# Altium PCB Thunderscope_Rev5.PCBDOC (part 4 of 7)
Units mm, origin at the board's own origin, x right, y up, seen from the top; angles counter-clockwise.
Board outline 119 x 103.6 mm, 6 copper layers (Top Layer, Int1 (GND), Int2 (Sign), Int3 (Sign), Int4 (GND), Bottom Layer), stack 1.49 mm thick; 745 components, 417 nets, 2478 pads, 1216 vias.
Unrouted connection lines stored in the file: 495.
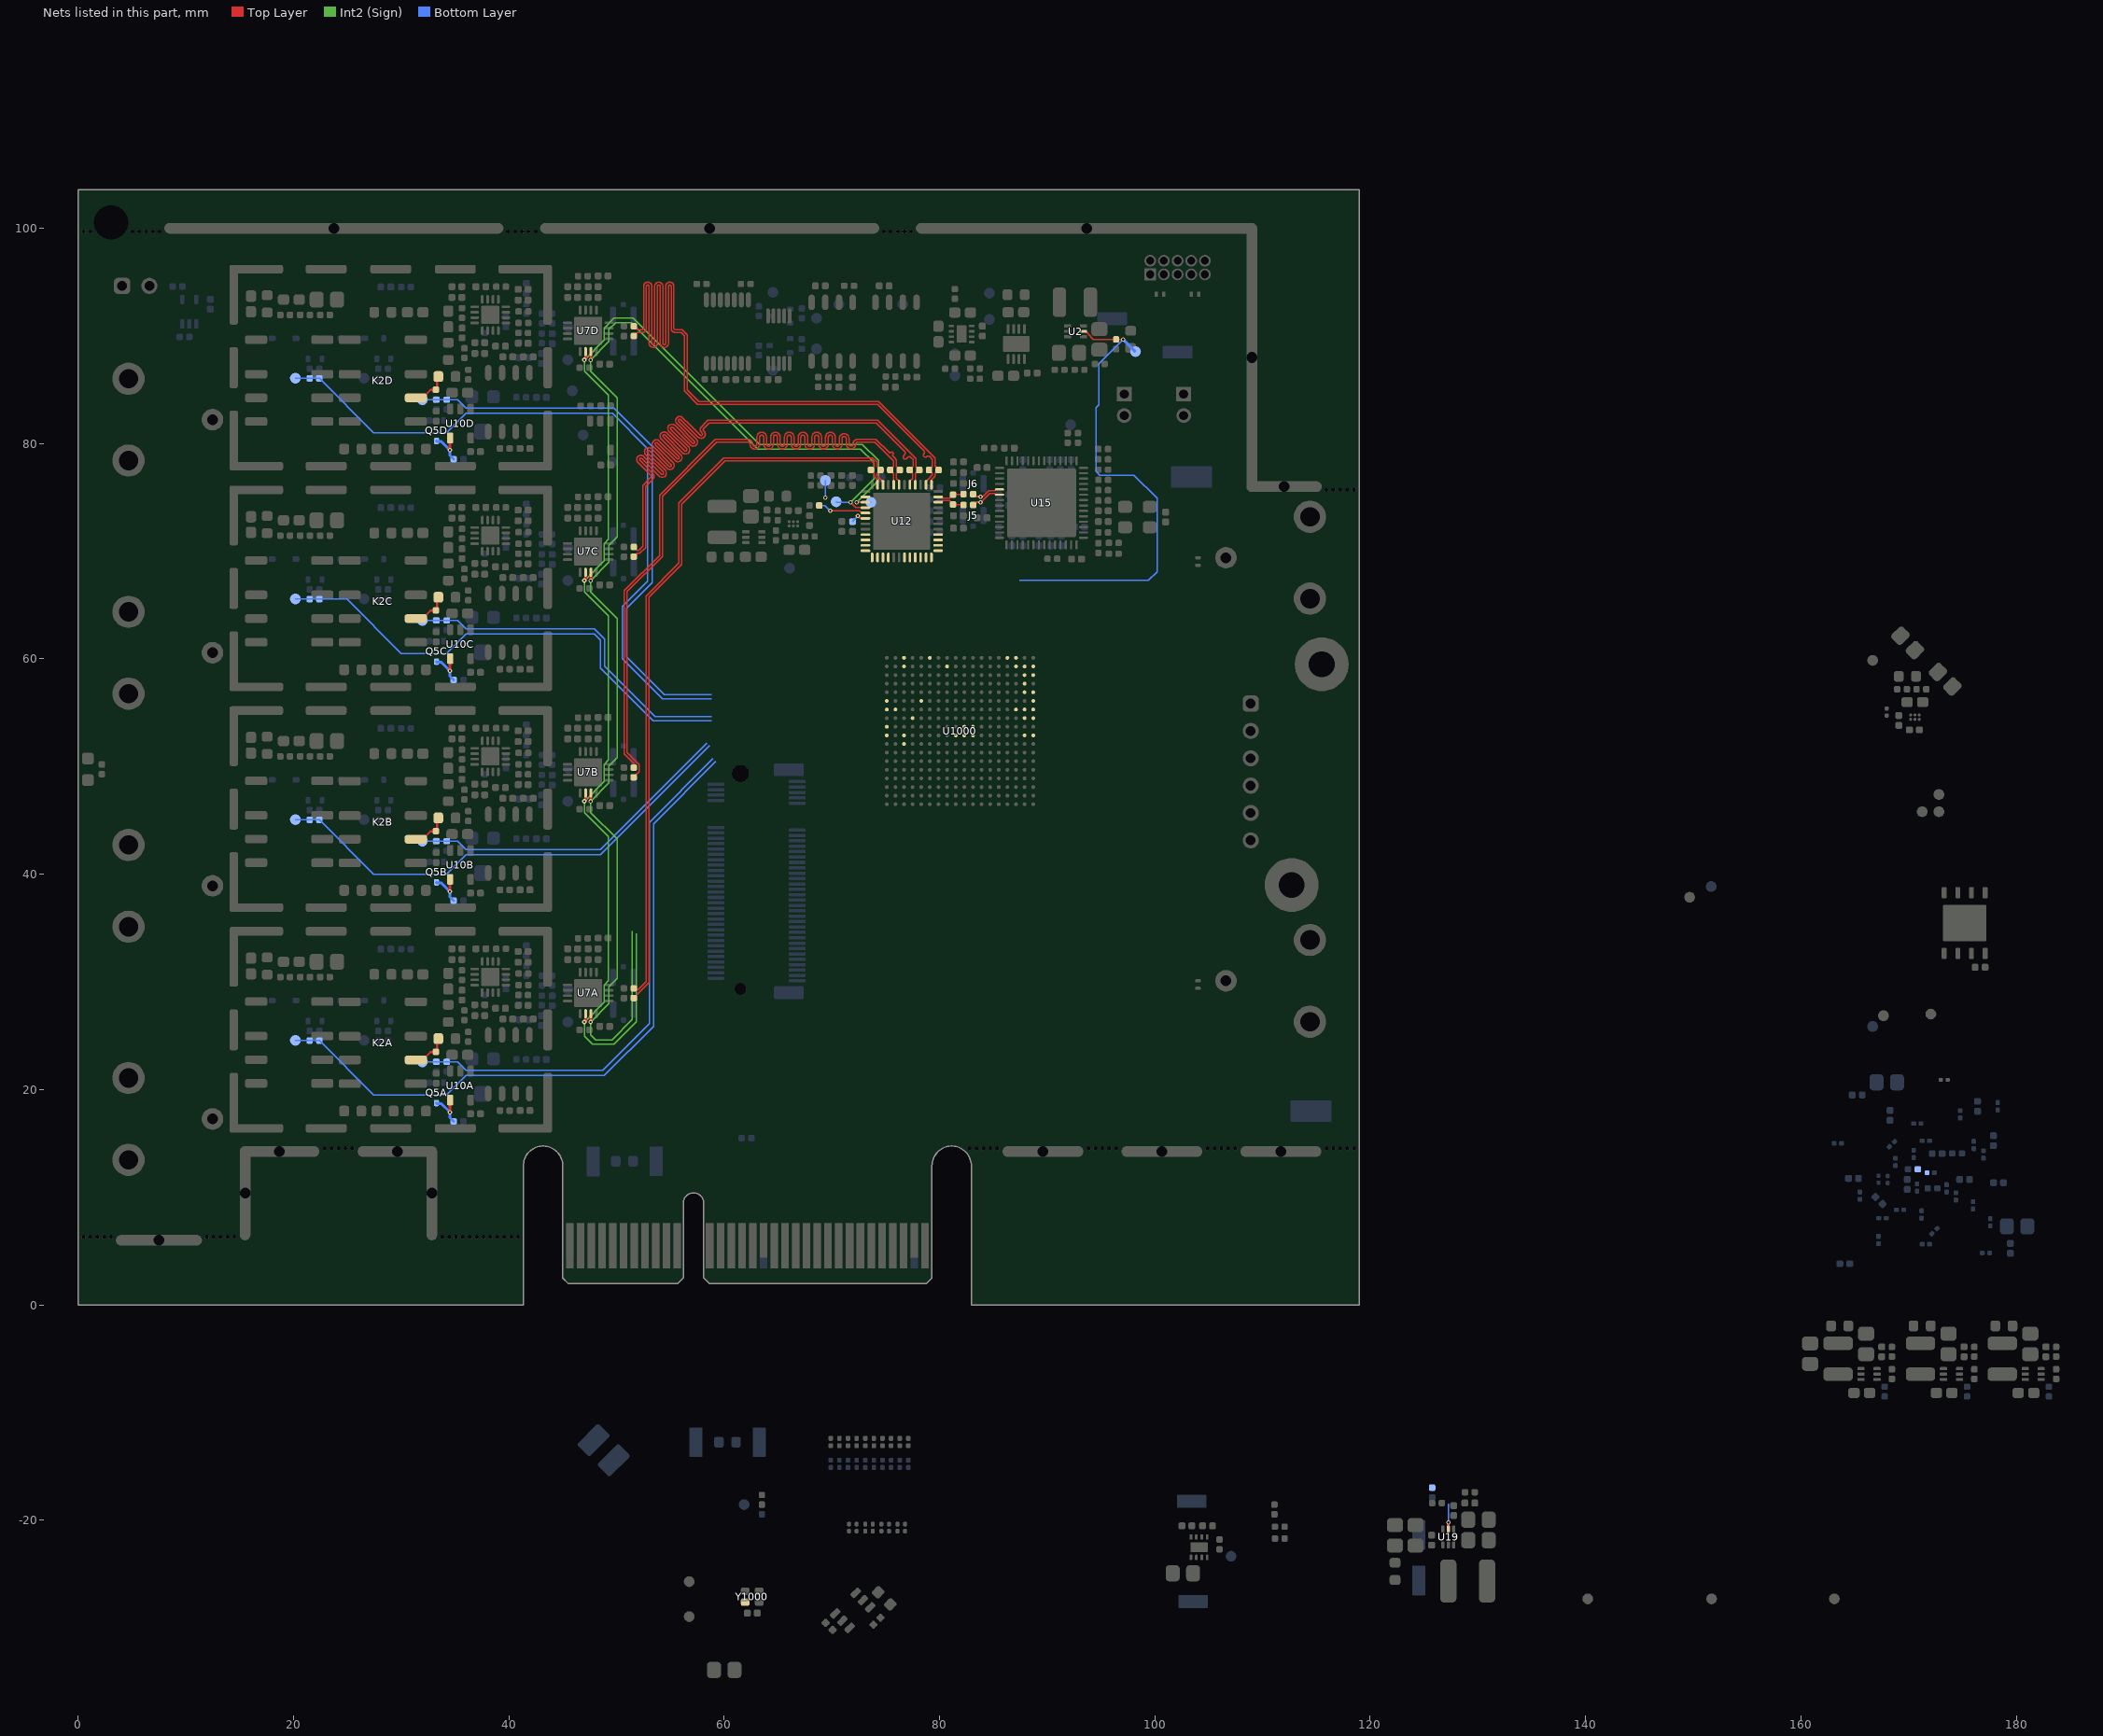
[diagram p8: the nets of this part, all layers, seen from the top]

## Via types
v1: diameter 0.406, hole 0.203, Top Layer to Bottom Layer, tented both sides, 1216 vias

## Nets (pads, with @x,y where several pads share a name; then routed paths per layer and width w, separated by ;. In a path a pad name is that pad's centre, name@x,y a point inside that pad or via, vN(x,y) a via of type N, cw(c..) or ccw(c..) an arc to the next point about the centre after c; other vN are vias at no path point) (continued)
ADC_CLK_C_N: C104.1 R64.1 U12.34 | length 2.6
  Top Layer w0.127: U12.34@79.868,74.55 80.186,74.55 80.329,74.693 80.915,74.693 R64.1@81.257,74.35 81.282,74.325 82.19,74.325 C104.1@82.215,74.3
ADC_CLK_C_P: C103.1 R64.2 U12.35 | length 2.5
  Top Layer w0.127: U12.35@79.868,75.05 80.226,75.05 80.329,74.947 80.907,74.947 81.21,75.25 R64.2@81.257,75.25 81.282,75.275 82.19,75.275 C103.1@82.215,75.3
ADC_CLK_N: C104.2 J5.1 U15.48 | length 3.7
  Top Layer w0.127: C104.2@83.135,74.3 83.187,74.3 83.43,74.542 v1@83.776,74.542 ; v1(83.804,74.54) 83.829,74.54 84.664,75.375 85.108,75.375 85.233,75.25 U15.48@85.575,75.25
  Bottom Layer w0.127: J5.1@83.125,74.3 83.19,74.3 83.43,74.54 v1@83.779,74.54
ADC_CLK_P: C103.2 J6.1 U15.47 | length 3.5
  Top Layer w0.127: C103.2@83.135,75.3 83.332,75.103 83.429,75.103 83.459,75.073 v1@83.781,75.073 ; v1(83.806,75.073) 83.858,75.126 84.056,75.126 84.559,75.629 85.139,75.629 85.26,75.75 U15.47@85.575,75.75
  Bottom Layer w0.127: J6.1@83.125,75.3 83.19,75.3 83.417,75.073 v1@83.781,75.073
ADC_CSn: R42.1 TP29.1 U12.2 U1000.C9 | length 1.6
  Bottom Layer w0.127: v1(69.4,74.975) TP29.1@69.4,76.575
ADC_PD: R46.1 U12.6 | length 1.6
  Top Layer w0.127: v1(72.406,73.29) 72.406,73.284 72.62,73.07 73.098,73.07 U12.6@73.118,73.05
  Bottom Layer w0.127: R46.1@71.925,72.75 71.925,72.779 72.406,73.261 v1(72.406,73.29)
ADC_RSTn: R44.1 U12.5 | length 4.6
  Top Layer w0.127: v1(69.85,73.75) 72.56,73.75 72.76,73.55 U12.5@73.118,73.55
  Bottom Layer w0.127: R44.1@68.825,74.25 69.35,74.25 v1(69.85,73.75)
ADC_SCLK: TP35.1 U7A.11 U7B.11 U7C.11 U7D.11 U12.4 U1000.A9 | length 126.4
  Top Layer w0.127: v1(71.725,74.55) 72.225,74.05 U12.4@73.118,74.05
  Top Layer w0.25: v1(47.593,26.27) 47.625,26.302 U7A.11@47.625,27.05 ; v1(47.593,46.77) 47.625,46.802 U7B.11@47.625,47.55 ; v1(47.593,67.27) 47.625,67.302 U7C.11@47.625,68.05 ; v1(47.593,87.77) 47.625,87.802 U7D.11@47.625,88.55
  Int2 (Sign) w0.127: 51.45,34.725 51.45,26.5 49.575,24.625 48.05,24.625 47.593,25.082 v1(47.593,26.27) 49.3,27.977 49.3,29.556 50.056,30.312 50.056,43.269 47.593,45.732 v1(47.593,46.77) 49.3,48.477 49.3,50.056 50.056,50.812 50.056,63.769 47.593,66.232 v1(47.593,67.27) 49.3,68.977 49.3,70.556 50.056,71.312 50.056,84.269 47.593,86.732 v1(47.593,87.77) 49.3,89.477 49.3,90.6 49.925,91.225 51.375,91.225 63.1,79.5 72.65,79.5 73.9,78.25 73.9,76.725 v1(71.725,74.55)
  Bottom Layer w0.127: TP35.1@70.391,74.609 70.45,74.55 v1(71.725,74.55)
ADC_SDATA: TP34.1 U7A.10 U7B.10 U7C.10 U7D.10 U12.3 U1000.D11 | length 127.8
  Top Layer w0.127: v1(72.3,74.55) U12.3@73.118,74.55
  Top Layer w0.25: v1(47.009,26.275) 47.009,26.364 47.125,26.48 U7A.10@47.125,27.05 ; v1(47.009,46.775) 47.009,46.864 47.125,46.98 U7B.10@47.125,47.55 ; v1(47.009,67.275) 47.009,67.364 47.125,67.48 U7C.10@47.125,68.05 ; v1(47.009,87.775) 47.009,87.864 47.125,87.98 U7D.10@47.125,88.55
  Int2 (Sign) w0.127: 51.85,34.5 51.85,26.3 49.75,24.2 47.75,24.2 47.009,24.941 v1(47.009,26.275) 48.85,28.116 48.85,29.7 49.25,30.1 49.25,43.495 47.009,45.736 v1(47.009,46.775) 48.85,48.616 48.85,50.2 49.25,50.6 49.25,63.995 47.009,66.236 v1(47.009,67.275) 48.85,69.116 48.85,70.7 49.25,71.1 49.25,84.495 47.009,86.736 v1(47.009,87.775) 48.85,89.616 48.85,90.725 49.775,91.65 51.55,91.65 63.275,79.925 72.826,79.925 74.325,78.426 74.325,76.575 v1(72.3,74.55)
  Bottom Layer w0.127: v1(72.3,74.55) TP34.1@73.625,74.55
AGND: C1064.1 FB1000.1 U1000.J9 U1000.K9 U1000.K10 U1000.L9 U1000.L10
ATTEN_1: R47A.2 R49A.2 TP22A.1 U1000.A13 | length 65
  Bottom Layer w0.127: TP22A.1@20.175,24.575 R47A.2@22.4,24.575 ; R47A.2@22.4,24.55 27.45,19.5 34.2,19.5 36,21.3 48.85,21.3 53.425,25.875 53.425,44.669 59.223,50.467
ATTEN_2: R47B.2 R49B.2 TP22B.1 U1000.B12 | length 45.5
  Bottom Layer w0.127: TP22B.1@20.175,45.075 R47B.2@22.4,45.075 ; R47B.2@22.4,45.05 27.45,40 34.2,40 36,41.8 48.5,41.8 58.653,51.953
ATTEN_3: R47C.2 R49C.2 TP22C.1 U1000.F18 | length 46.3
  Bottom Layer w0.127: TP22C.1@20.175,65.575 R47C.2@22.4,65.575 ; R47C.2@22.4,65.55 24.95,65.55 30,60.5 34.2,60.5 36,62.3 47.95,62.3 48.5,61.75 48.5,59.171 53.421,54.25 58.8,54.25
ATTEN_4: R47D.2 R49D.2 TP22D.1 U1000.A10 | length 67.2
  Bottom Layer w0.127: TP22D.1@20.175,86.075 R47D.2@22.4,86.075 ; R47D.2@22.4,86.05 27.45,81 34.2,81 36,82.8 49.625,82.8 52.9,79.525 52.9,67.225 50.55,64.875 50.55,60.02 54.27,56.3 58.8,56.3
ATTEN_OUTA: K2A.6 R53A.1 R96A.2 | length 3.5
  Top Layer w0.213: K2A.6@31.365,22.75 31.995,22.75 32.73,23.485 33.044,23.485 33.058,23.5 R96A.2@33.225,23.5 33.337,23.613 33.337,24.613 R53A.1@33.45,24.725
ATTEN_OUTB: K2B.6 R53B.1 R96B.2 | length 3.5
  Top Layer w0.213: K2B.6@31.365,43.25 31.995,43.25 32.73,43.985 33.044,43.985 33.058,44 R96B.2@33.225,44 33.337,44.113 33.337,45.113 R53B.1@33.45,45.225
ATTEN_OUTC: K2C.6 R53C.1 R96C.2 | length 3.5
  Top Layer w0.213: K2C.6@31.365,63.75 31.995,63.75 32.73,64.485 33.044,64.485 33.058,64.5 R96C.2@33.225,64.5 33.337,64.613 33.337,65.613 R53C.1@33.45,65.725
ATTEN_OUTD: K2D.6 R53D.1 R96D.2 | length 3.5
  Top Layer w0.213: K2D.6@31.365,84.25 31.995,84.25 32.73,84.985 33.044,84.985 33.058,85 R96D.2@33.225,85 33.337,85.113 33.337,86.113 R53D.1@33.45,86.225
CH1_N: R57.2 R97A.2 U12.47 | length 69.7
  Top Layer w0.127: R97A.2@51.6,28.5 51.6,28.51 53.007,29.918 53.007,65.743 56.05,68.786 56.05,74.375 60.075,78.4 73.686,78.4 73.943,78.143 73.943,77.875 R57.2@73.618,77.55 73.942,77.226 73.942,76.937 74.22,76.66 U12.47@74.22,76.199
CH1_P: R52A.2 R57.1 U12.46 | length 69.8
  Top Layer w0.127: R52A.2@51.6,29.4 51.71,29.29 52.016,29.29 52.75,30.024 52.75,65.85 55.793,68.893 55.793,74.482 59.968,78.657 73.793,78.657 74.2,78.25 74.2,77.868 R57.1@74.518,77.55 74.2,77.231 74.2,77.044 74.529,76.714 U12.46@74.743,76.5
CH2_N: R60.2 R97B.2 U12.44 | length 69.7
  Top Layer w0.127: R97B.2@51.6,49 51.6,49.047 52.091,49.537 52.091,50.191 50.982,51.299 50.982,66.243 54.25,69.511 54.25,75.105 59.295,80.15 61.375,80.15 62.205,80.15 cw(c62.205,79.959) 62.396,79.959 62.396,79.941 ccw(c62.843,79.941) 62.843,79.493 ccw(c62.843,79.941) 63.291,79.941 63.291,80.597 cw(c63.482,80.597) 63.482,80.787 cw(c63.482,80.597) 63.672,80.597 63.672,79.941 ccw(c64.12,79.941) 64.12,79.493 ccw(c64.12,79.941) 64.567,79.941 64.567,80.597 cw(c64.758,80.597) 64.758,80.787 cw(c64.758,80.597) 64.948,80.597 64.948,79.941 ccw(c65.396,79.941) 65.396,79.493 ccw(c65.396,79.941) 65.844,79.941 65.844,80.597 cw(c66.034,80.597) 66.034,80.787 cw(c66.034,80.597) 66.225,80.597 66.225,79.941 ccw(c66.673,79.941) 66.673,79.493 ccw(c66.673,79.941) 67.12,79.941 67.12,80.597 cw(c67.311,80.597) 67.311,80.787 cw(c67.311,80.597) 67.501,80.597 67.501,79.941 ccw(c67.949,79.941) 67.949,79.493 ccw(c67.949,79.941) 68.397,79.941 68.397,80.597 cw(c68.587,80.597) 68.587,80.787 cw(c68.587,80.597) 68.778,80.597 68.778,79.941 ccw(c69.226,79.941) 69.226,79.493 ccw(c69.226,79.941) 69.673,79.941 69.673,80.597 cw(c69.864,80.597) 69.864,80.787 cw(c69.864,80.597) 70.054,80.597 70.054,79.941 ccw(c70.502,79.941) 70.502,79.493 ccw(c70.502,79.941) 70.95,79.941 70.95,80.48 cw(c71.14,80.48) 71.14,80.67 cw(c71.14,80.48) 71.331,80.48 71.331,79.959 ccw(c71.778,79.959) 71.778,79.512 ccw(c71.778,79.959) 72.226,79.959 cw(c72.417,79.959) 72.417,80.15 73.169,80.15 73.986,80.15 75.743,78.393 75.743,77.875 R60.2@75.418,77.55 75.418,77.546 75.743,77.221 U12.44@75.743,76.175
CH2_P: R52B.2 R60.1 U12.43 | length 69.7
  Top Layer w0.127: R52B.2@51.6,49.9 51.602,49.902 51.602,50.316 50.725,51.193 50.725,66.35 53.993,69.618 53.993,75.211 59.189,80.407 61.375,80.407 62.205,80.407 cw(c62.205,79.959) 62.653,79.959 62.653,79.941 ccw(c62.843,79.941) 62.843,79.75 ccw(c62.843,79.941) 63.034,79.941 63.034,80.597 cw(c63.482,80.597) 63.482,81.044 cw(c63.482,80.597) 63.929,80.597 63.929,79.941 ccw(c64.12,79.941) 64.12,79.75 ccw(c64.12,79.941) 64.31,79.941 64.31,80.597 cw(c64.758,80.597) 64.758,81.044 cw(c64.758,80.597) 65.206,80.597 65.206,79.941 ccw(c65.396,79.941) 65.396,79.75 ccw(c65.396,79.941) 65.587,79.941 65.587,80.597 cw(c66.034,80.597) 66.034,81.044 cw(c66.034,80.597) 66.482,80.597 66.482,79.941 ccw(c66.673,79.941) 66.673,79.75 ccw(c66.673,79.941) 66.863,79.941 66.863,80.597 cw(c67.311,80.597) 67.311,81.044 cw(c67.311,80.597) 67.759,80.597 67.759,79.941 ccw(c67.949,79.941) 67.949,79.75 ccw(c67.949,79.941) 68.14,79.941 68.14,80.597 cw(c68.587,80.597) 68.587,81.044 cw(c68.587,80.597) 69.035,80.597 69.035,79.941 ccw(c69.226,79.941) 69.226,79.75 ccw(c69.226,79.941) 69.416,79.941 69.416,80.597 cw(c69.864,80.597) 69.864,81.044 cw(c69.864,80.597) 70.311,80.597 70.311,79.941 ccw(c70.502,79.941) 70.502,79.75 ccw(c70.502,79.941) 70.692,79.941 70.692,80.48 cw(c71.14,80.48) 71.14,80.927 cw(c71.14,80.48) 71.588,80.48 71.588,79.959 ccw(c71.778,79.959) 71.778,79.769 ccw(c71.778,79.959) 71.969,79.959 cw(c72.417,79.959) 72.417,80.407 73.169,80.407 74.093,80.407 75.272,79.228 75.317,79.183 ccw(c75.407,79.273) 75.497,79.183 cw(c75.587,79.093) 75.677,79.183 cw(c75.587,79.093) 75.677,79.003 ccw(c75.766,78.913) 75.677,78.823 75.793,78.707 75.838,78.662 76,78.5 76,77.868 R60.1@76.318,77.55 76,77.232 76,76.758 76.243,76.515 U12.43@76.243,76.175
CH3_N: R62.2 R97C.2 U12.41 | length 69.8
  Top Layer w0.127: R97C.2@51.6,69.5 51.6,69.51 51.911,69.821 52.167,69.821 52.7,70.355 52.7,76.011 53.237,76.548 53.373,76.684 ccw(c53.101,76.956) 53.41,77.183 53.41,77.19 53.373,77.227 52.169,78.431 cw(c52.258,78.521) 52.169,78.611 cw(c52.258,78.521) 52.348,78.611 ; 52.349,78.61 53.976,76.983 ccw(c54.248,77.254) 54.52,76.983 ccw(c54.248,77.254) 54.558,77.482 54.558,77.488 52.892,79.154 cw(c52.981,79.244) 52.892,79.334 cw(c52.981,79.244) 53.071,79.334 ; 53.072,79.333 54.699,77.706 ccw(c54.971,77.977) 55.243,77.706 55.244,77.707 ccw(c54.971,77.977) 55.281,78.205 55.281,78.211 53.614,79.877 cw(c53.704,79.967) 53.614,80.057 cw(c53.704,79.967) 53.794,80.057 55.422,78.429 ccw(c55.694,78.7) 55.966,78.429 55.967,78.43 ccw(c55.694,78.7) 56.003,78.928 56.003,78.934 54.337,80.6 cw(c54.427,80.69) 54.337,80.78 cw(c54.427,80.69) 54.517,80.78 ; 54.518,80.779 56.145,79.152 ccw(c56.417,79.423) 56.689,79.151 56.69,79.152 ccw(c56.417,79.423) 56.726,79.651 56.726,79.657 55.06,81.323 cw(c55.15,81.413) 55.06,81.503 cw(c55.15,81.413) 55.24,81.503 ; 55.241,81.502 56.868,79.875 ccw(c57.14,80.146) 57.412,79.874 57.413,79.875 ccw(c57.14,80.146) 57.449,80.374 57.449,80.38 55.783,82.046 cw(c55.873,82.136) 55.783,82.226 cw(c55.873,82.136) 55.963,82.226 57.585,80.604 ccw(c57.857,80.876) 58.128,80.604 58.129,80.605 ccw(c57.857,80.876) 58.128,81.147 58.121,81.154 58.072,81.204 cw(c58.162,81.293) 58.072,81.383 58.46,81.772 58.589,81.9 74.136,81.9 76.462,79.574 76.507,79.529 76.777,79.26 cw(c76.642,79.125) 76.777,78.99 76.672,78.885 ccw(c76.807,78.751) 76.672,78.616 ccw(c76.807,78.751) 76.941,78.616 77.046,78.721 cw(c77.181,78.586) 77.315,78.721 77.484,78.552 77.529,78.507 77.539,78.497 77.539,77.905 ; U12.41@77.243,76.515 77.486,76.758 77.486,77.232 77.455,77.263 77.455,77.267 77.218,77.503 R62.2@77.218,77.55 77.543,77.875 77.543,77.894
CH3_P: R52C.2 R62.1 U12.40 | length 69.8
  Top Layer w0.127: R52C.2@51.6,70.4 51.6,70.39 51.911,70.079 52.06,70.079 52.443,70.461 52.443,76.118 53.055,76.73 53.191,76.866 ccw(c53.101,76.956) 53.19,77.046 ; 51.987,78.249 53.19,77.046 ; 51.987,78.249 cw(c52.258,78.521) 51.987,78.793 51.988,78.794 cw(c52.258,78.521) 52.486,78.83 52.492,78.83 54.158,77.164 ccw(c54.248,77.254) 54.338,77.164 ccw(c54.248,77.254) 54.338,77.344 ; 54.337,77.345 52.71,78.972 cw(c52.981,79.244) 52.71,79.516 52.711,79.517 cw(c52.981,79.244) 53.209,79.553 53.215,79.553 54.881,77.887 ccw(c54.971,77.977) 55.061,77.887 ccw(c54.971,77.977) 55.061,78.067 53.433,79.695 cw(c53.704,79.967) 53.433,80.239 cw(c53.704,79.967) 53.932,80.276 53.938,80.276 55.604,78.61 ccw(c55.694,78.7) 55.784,78.61 ccw(c55.694,78.7) 55.784,78.79 54.156,80.418 cw(c54.427,80.69) 54.156,80.962 cw(c54.427,80.69) 54.655,80.999 54.661,80.999 56.327,79.333 ccw(c56.417,79.423) 56.507,79.333 ccw(c56.417,79.423) 56.507,79.513 ; 55.602,81.864 cw(c55.873,82.136) 55.602,82.408 cw(c55.873,82.136) 56.101,82.445 56.107,82.445 56.855,81.698 57.767,80.786 ccw(c57.857,80.876) 57.946,80.786 ccw(c57.857,80.876) 57.946,80.965 57.891,81.021 cw(c58.162,81.293) 57.89,81.565 58.278,81.953 58.482,82.157 74.243,82.157 77.8,78.6 77.8,77.868 R62.1@78.118,77.55 ; 55.602,81.863 57.229,80.237 ; 56.506,79.514 54.879,81.141 cw(c55.15,81.413) 54.879,81.685 cw(c55.15,81.413) 55.378,81.722 55.384,81.722 57.05,80.056 ccw(c57.14,80.146) 57.23,80.056 ccw(c57.14,80.146) 57.23,80.236 ; U12.40@77.743,76.175 77.743,77.221 R62.1@78.068,77.546 ; R62.1@78.118,77.527 R62.1@78.118,77.55 ; R62.1@78.118,77.573 R62.1@78.118,77.55
CH4_N: R63.2 R97D.2 U12.38 | length 69.7
  Top Layer w0.127: R97D.2@51.6,90 51.6,90.01 51.911,90.321 52.196,90.321 52.389,90.321 ccw(c52.389,90.706) 52.773,90.706 52.773,94.601 cw(c52.9,94.601) 52.9,94.728 cw(c52.9,94.601) 53.027,94.601 53.027,89.324 ccw(c53.411,89.324) 53.411,88.94 ccw(c53.411,89.324) 53.795,89.324 53.795,94.601 cw(c53.922,94.601) 53.922,94.728 cw(c53.922,94.601) 54.049,94.601 54.049,89.324 ccw(c54.433,89.324) 54.433,88.94 ccw(c54.433,89.324) 54.818,89.324 54.818,94.601 cw(c54.945,94.601) 54.945,94.728 cw(c54.945,94.601) 55.072,94.601 55.072,90.706 ccw(c55.456,90.706) 55.456,90.321 55.854,90.321 55.993,90.321 56.3,90.014 56.3,84.886 57.536,83.65 74.236,83.65 78.238,79.648 78.283,79.603 78.553,79.334 cw(c78.418,79.199) 78.553,79.064 ccw(c78.687,78.929) 78.553,78.795 ccw(c78.687,78.929) 78.822,78.795 ; U12.38@78.743,76.175 78.743,76.5 78.957,76.714 79.339,77.096 79.339,77.214 79.018,77.535 R63.2@79.018,77.55 79.343,77.875 79.343,78.343 79.343,78.543 79.091,78.795 ; 78.822,78.795 cw(c78.957,78.66) 79.091,78.795
CH4_P: R52D.2 R63.1 U12.37 | length 69.6
  Top Layer w0.127: R52D.2@51.6,90.9 51.6,90.89 51.911,90.579 52.196,90.579 52.389,90.579 ccw(c52.389,90.706) 52.516,90.706 52.516,94.601 cw(c52.9,94.601) 52.9,94.985 cw(c52.9,94.601) 53.284,94.601 53.284,89.324 ccw(c53.411,89.324) 53.411,89.197 ccw(c53.411,89.324) 53.538,89.324 53.538,94.601 cw(c53.922,94.601) 53.922,94.985 cw(c53.922,94.601) 54.306,94.601 54.306,89.324 ccw(c54.433,89.324) 54.433,89.197 ccw(c54.433,89.324) 54.56,89.324 54.56,94.601 cw(c54.945,94.601) 54.945,94.985 cw(c54.945,94.601) 55.329,94.601 55.329,90.706 ccw(c55.456,90.706) 55.456,90.579 55.854,90.579 55.993,90.579 56.1,90.579 56.557,90.121 56.557,84.993 57.643,83.907 74.343,83.907 79.6,78.65 79.6,77.915 79.918,77.597 R63.1@79.918,77.55 79.907,77.55 79.596,77.239 79.596,76.989 79.267,76.66 79.267,76.199 U12.37@79.243,76.175
CLK25: U1000.E13 Y1000.3
D1A_N: U12.10 U1000.V17
D1A_P: U12.9 U1000.V16
D1B_N: U12.12 U1000.U17
D1B_P: U12.11 U1000.T17
D2A_N: U12.14 U1000.U11
D2A_P: U12.13 U1000.V11
D2B_N: U12.16 U1000.U9
D2B_P: U12.15 U1000.V9
D3A_N: U12.22 U1000.V13
D3A_P: U12.21 U1000.V12
D3B_N: U12.24 U1000.U15
D3B_P: U12.23 U1000.U16
D4A_N: U12.26 U1000.U14
D4A_P: U12.25 U1000.V14
D4B_N: U12.28 U1000.T12
D4B_P: U12.27 U1000.U12
DC_CPL_1: R126A.2 R127A.2 TP26A.1 U1000.C18 | length 50.2
  Bottom Layer w0.127: TP26A.1@31.975,22.575 R126A.2@33.275,22.575 R127A.2@34.225,22.575 35.225,22.575 36,21.8 48.725,21.8 53.05,26.125 53.05,44.825 58.958,50.733
DC_CPL_2: R126B.2 R127B.2 TP26B.1 U1000.A12 | length 30.8
  Bottom Layer w0.127: TP26B.1@31.975,43.075 R126B.2@33.275,43.075 R127B.2@34.225,43.075 35.225,43.075 36,42.3 48.5,42.3 58.381,52.181
DC_CPL_3: R126C.2 R127C.2 TP26C.1 U1000.H17 | length 32
  Bottom Layer w0.127: TP26C.1@31.975,63.575 R126C.2@33.275,63.575 R127C.2@34.225,63.575 35.225,63.575 36,62.8 47.95,62.8 48.9,61.85 48.9,59.336 53.586,54.65 58.8,54.65
DC_CPL_4: R126D.2 R127D.2 TP26D.1 U1000.C17 | length 53
  Bottom Layer w0.127: TP26D.1@31.975,84.075 R126D.2@33.275,84.075 R127D.2@34.225,84.075 35.225,84.075 36.025,83.275 49.775,83.275 53.325,79.725 53.325,67.1 50.925,64.7 50.925,60.175 54.425,56.675 58.8,56.675
DC_CPLnA: Q5A.1 R125A.1 U10A.4 | length 3.8
  Top Layer w0.254: v1(34.525,17.9) 34.538,17.913 34.538,19.012 U10A.4@34.55,19.025 ; U10A.4@34.55,19.15 U10A.4@34.563,19.138
  Bottom Layer w0.254: Q5A.1@33.275,18.75 33.323,18.702 33.723,18.702 v1(34.525,17.9) 34.525,17.4 R125A.1@34.875,17.05
DC_CPLnB: Q5B.1 R125B.1 U10B.4 | length 3.8
  Top Layer w0.254: v1(34.525,38.4) 34.538,38.413 34.538,39.512 U10B.4@34.55,39.525 ; U10B.4@34.55,39.65 U10B.4@34.563,39.638
  Bottom Layer w0.254: Q5B.1@33.275,39.25 33.323,39.202 33.723,39.202 v1(34.525,38.4) 34.525,37.9 R125B.1@34.875,37.55
DC_CPLnC: Q5C.1 R125C.1 U10C.4 | length 3.8
  Top Layer w0.254: v1(34.525,58.9) 34.538,58.913 34.538,60.013 U10C.4@34.55,60.025 ; U10C.4@34.55,60.15 U10C.4@34.563,60.138
  Bottom Layer w0.254: Q5C.1@33.275,59.75 33.323,59.702 33.723,59.702 v1(34.525,58.9) 34.525,58.4 R125C.1@34.875,58.05
DC_CPLnD: Q5D.1 R125D.1 U10D.4 | length 3.8
  Top Layer w0.254: v1(34.525,79.4) 34.538,79.413 34.538,80.513 U10D.4@34.55,80.525 ; U10D.4@34.55,80.65 U10D.4@34.563,80.638
  Bottom Layer w0.254: Q5D.1@33.275,80.25 33.323,80.202 33.723,80.202 v1(34.525,79.4) 34.525,78.9 R125D.1@34.875,78.55
FCLK_N: U12.20 U1000.T18
FCLK_P: U12.19 U1000.R18
FE_EN: R6.1 R115.1 TP7.1 U2.2 U19.5 U1000.C8 | length 47.9
  Top Layer w0.127: U2.2@93.365,90.425 93.444,90.346 93.604,90.346 93.644,90.346 U2.2@93.678,90.322 ; 93.704,90.296 93.735,90.265 93.888,90.113 93.891,90.11 94.234,89.718 94.277,89.675 94.33,89.675 R6.1@96.4,89.675 ; R6.1@96.406,89.675 R6.1@96.4,89.675 ; v1(97.05,89.675) R6.1@96.4,89.675
  Top Layer w0.254: U19.5@127.25,-20.81 v1(127.25,-20.2)
  Bottom Layer w0.127: 87.425,67.3 99.4,67.3 100.2,68.1 100.2,74.925 98.05,77.075 94.9,77.075 94.525,77.45 94.525,83.325 94.8,83.6 94.8,87.425 v1(97.05,89.675) ; v1(127.25,-20.2) 127.25,-18.475
  Bottom Layer w0.254: v1(97.05,89.675) 98.1,88.625 TP7.1@98.1,88.55 ; v1@127.195,-20.2 v1(127.25,-20.2)